# KiCad board chastityRightV2.kicad_pcb (continued)
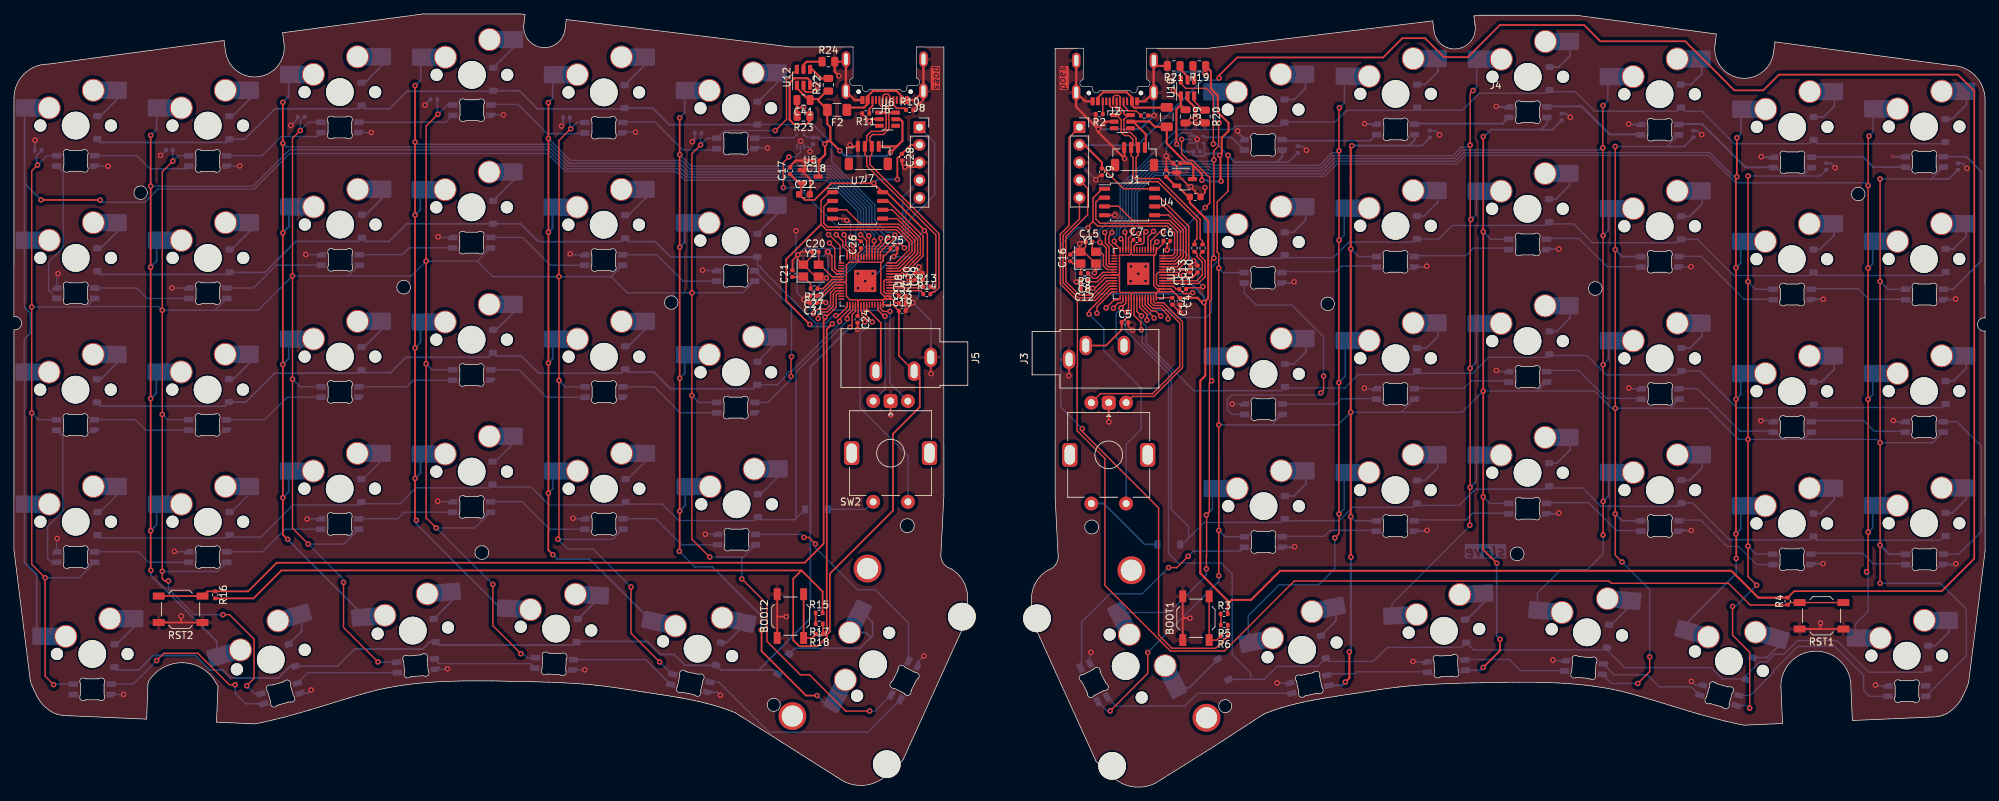
[diagram p0: board, top side]
## Routing (per net, layer and track width the routed paths; a pad name or vN(x,y) marks a point on that pad's centre or on a via; arc(x,y) is an arc through that point) (continued)
col 5_L: length 210.9
  Top w0.2: U8.7 122.7,78.62 121.87,79.44 v1(121.83,79.44)
  Top w0.25: v1(19.68,93.76) v1(19.68,86.44) v1(19.68,74.8) v1(19.68,55.89) v1(19.68,36.88) 19.68,36.88 19.68,31.21 v1(19.71,31.19)
  Bottom w0.2: v1(121.83,79.44) 121.83,81.08 121.86,81.11 121.86,82.97 117.12,87.71 96.7,87.71 95.47,88.94 79.58,88.94 76.85,91.67 44.08,91.67 44.06,91.68 39.67,91.68 34.42,86.44 v1(19.68,86.44)
  Bottom w0.25: v1(19.71,31.19) 19.71,30.47 29.19,20.98 MX59.1 ; v1(19.68,93.76) 20.54,94.62 MX35.1 ; v1(19.68,36.88) 20.54,37.75 MX53.1 ; v1(19.68,74.8) 20.56,75.67 MX41.1 ; v1(19.68,55.89) 20.51,56.72 MX47.1
col 6: length 124.3
  Top w0.2: U3.15 158.35,77.52 157.57,78.3 157.57,79.24 158,79.68 v1(158,79.78) ; v1(173.41,95.56) 173.36,95.51 173.36,92.24 172.67,91.56 v1(172.67,76.1) 172.31,75.73 172.31,70.11 172.08,69.88 172.08,58.72 v1(172.35,58.45) 172.02,58.12 172.02,39.57 v1(171.59,39.15) 171.63,39.12 171.63,33.24 171.59,33.2 v1(171.59,31.4)
  Bottom w0.2: MX18.1 172.46,58.57 v1(172.35,58.45) ; v1(172.69,90.22) 172.49,90.02 163.32,90.02 159.6,86.31 159.6,81.91 158,80.32 v1(158,79.78) ; v1(173.41,95.56) 172.79,96.18 172.79,99.61 MX6.1 ; v1(172.67,76.1) 172.44,76.33 172.44,80.95 ; v1(171.59,39.15) 172.46,40.02 MX24.1 ; v1(171.59,31.4) 171.59,30.46 166.26,25.13 MX30.1
col 6_L: length 212.4
  Top w0.2: v1(120.78,77.91) 120.78,77.42 121.1,77.11 U8.11
  Top w0.25: v1(3.91,84.47) 12.39,84.47 v1(12.41,84.44)
  Bottom w0.2: v1(120.78,77.91) 121.13,78.26 121.13,80.07 121.43,80.38 121.43,82.83 116.96,87.31 96.54,87.31 95.31,88.54 79.41,88.54 76.81,91.14 39.69,91.14 34.59,86.04 20.75,86.04 18.84,84.13 12.72,84.13 v1(12.41,84.44)
  Bottom w0.25: v1(3.91,84.47) 1.54,86.84 1.54,87.14 ; MX36.1 1.54,97.69 1.54,87.14 ; 1.54,87.14 MX42.1 1.54,69.02 2.37,68.18 2.37,65.31 1.5,64.44 MX48.1 1.53,59.68 MX54.1 1.53,32.33 3.27,30.59 3.27,22.33 MX60.1
CURR_LIM: length 2.5
  Top w0.3: R21.1 167.81,103.29 168.88,102.21 U10.5
CURR_LIM_L: length 3.5
  Top w0.3: R24.1 114.07,104.35 113.62,103.9 U12.5
D+: length 68.6
  Top w0.2: J6.B6 124.55,98.21 124.77,97.98 125.32,97.98 ; 158.46,97.79 158.68,98.02 J2.A6 ; 158.46,97.79 158.52,97.79 159.3,97.01 159.3,96.9 159.06,96.67 U2.1 158.64,96.67 159.33,95.98 159.33,94.22 159.84,93.72 160.48,93.72 161.03,93.17 161.03,92.28 J1.3 160.76,90.85 161.03,90.57 161.03,87.74 161.68,87.09 164.62,87.09 170.24,81.47 170.24,78.89 169.88,78.53 R7.2 ; 158.46,97.79 157.91,97.79 157.68,98.02 J2.B6 ; 125.32,97.98 125.49,97.81 125.49,97.26 125.25,97.03 U6.1 125.21,97.03 125.51,96.73 125.51,94.84 125,94.33 123.37,94.33 122.73,93.69 122.73,92.92 122.45,92.65 J7.3 122.45,91.01 122.73,90.73 122.73,89.37 132.67,79.42 132.67,72.05 132.3,71.69 132.24,71.69 131.93,72 R13.2 ; 125.32,97.98 125.55,98.21 J6.A6
D-: length 71.1
  Top w0.2: R8.2 171.05,78.53 170.69,78.89 170.69,81.65 164.81,87.54 161.87,87.54 161.48,87.93 161.48,90.57 161.76,90.85 J1.2 161.48,92.28 161.48,93.36 160.67,94.17 160.02,94.17 159.73,94.46 159.73,96.03 160.37,96.67 U2.6 ; J6.A7 125.05,99.45 125.27,99.68 125.82,99.68 126.05,99.45 J6.B7 126.05,97.97 125.89,97.81 125.89,97.23 126.09,97.03 U6.6 126.17,97.03 125.91,96.76 125.91,94.68 125.11,93.88 123.56,93.88 123.18,93.5 123.18,92.92 123.45,92.65 J7.2 123.45,91.01 123.18,90.73 123.18,89.55 133.12,79.61 133.12,71.87 132.49,71.24 132.24,71.24 131.93,70.92 R14.2 ; U2.6 160.55,96.8 ; U2.6 159.93,96.67 159.7,96.9 159.7,97.25 159.18,97.77 J2.B7 159.18,99.27 158.96,99.49 158.41,99.49 158.18,99.27 J2.A7
LED_Data_3V3: length 24.6
  Top w0.2: v1(171.41,83.37) 172.09,84.04 172.09,87.67 171.83,87.93 ; v1(168.03,93.18) 168.03,91.13 168.98,90.18 169.58,90.18 171.9,87.86 ; U3.3 163.59,78.57 164.88,79.87 v1(165.31,79.87)
  Bottom w0.2: v1(165.31,79.87) 167.91,79.87 v1(171.41,83.37) ; v1(168.03,93.18) U9.2
LED_Data_3V3_L: length 22.8
  Top w0.2: v1(119.45,79.46) 119.68,79.23 119.68,77.96 120.7,76.94 U8.12 ; v1(110.73,86.24) 110.73,89.86 v1(111.52,90.65)
  Bottom w0.2: v1(111.52,90.65) 112.49,90.65 113.18,91.34 U11.2 ; v1(119.45,79.46) 119.45,79.66 112.88,86.24 v1(110.73,86.24)
LED_Data_5V: length 6.8
  Bottom w0.25: U9.4 171.37,93.46 175.22,93.46 176.98,91.7 177.1,91.7
LED_Data_5V_L: length 6.2
  Bottom w0.2: U11.4 112.2,93.42 106.65,93.42
LED_Pow_5V: length 772.8
  Top w0.2: v1(230.43,92.14) v1(230.43,77.32) v1(230.43,54.49) v1(230.43,39.31) 230.43,33.37 v1(231.42,32.38) ; v1(249.54,87.91) 249.53,87.9 v1(249.53,72.72) v1(249.53,50.02) v1(249.53,34.68) 249.53,30.29 v1(250.78,29.04) ; v1(172.59,92.52) 172.59,92.73 172.6,92.74 172.6,99.48 171.57,100.51 168.62,100.51 167.93,101.2 167.93,101.71 ; v1(268.54,29.32) v1(268.54,49.54) v1(268.54,72.75) v1(268.54,87.49) ; 173.38,48.02 v1(173.38,36.92) v1(173.38,30.41) ; v1(233.67,14.91) 235.38,16.63 v1(235.38,18.75) ; v1(249.78,11.35) 249.78,19.39 247.31,21.86 v1(247.31,26) ; v1(174.71,90.89) 174.71,85.73 173.15,84.18 173.15,76.94 173.37,76.72 v1(173.37,74.66) v1(173.37,52.1) 173.37,48.03 ; v1(163.15,19.37) 163.15,16.36 v1(157.76,10.97)
  Top w0.25: v1(213.86,21.27) 213.86,19.65 v1(211.43,17.22) ; v1(213.38,32.21) 211.43,34.16 v1(211.43,41.76) v1(211.43,56.98) v1(211.43,79.9) v1(211.43,93.58)
  Top w0.3: v1(192.52,92.26) 192.36,92.1 v1(192.36,77.44) v1(192.36,53.93) v1(192.36,38.93) 192.36,33.11 v1(192.39,33.09) ; v1(192.17,19.46) 192.17,15.71 v1(191.59,15.12)
  Bottom w0.2: v1(268.54,87.49) 275.94,87.49 LED36.1 ; 238.3,54.49 238.3,54.49 243.69,54.49 248.16,50.02 v1(249.53,50.02) 257.56,50.02 ; LED49.1 174.28,36.01 v1(173.38,36.92) ; v1(173.37,74.66) 174.02,74.01 177.02,74.01 ; LED47.1 257.56,50.02 ; 257.56,50.02 268.06,50.02 v1(268.54,49.54) 276.08,49.54 LED48.1 ; LED55.1 157.29,10.97 v1(157.76,10.97) ; v1(192.36,38.93) 192.97,38.31 196.05,38.31 ; 199.65,53.93 208.38,53.93 v1(211.43,56.98) 219.27,56.98 ; 199.65,53.93 v1(192.36,53.93) 190.53,52.1 181.02,52.1 ; 199.65,53.93 LED44.1 ; v1(230.43,54.49) 229.94,54.49 227.45,56.98 219.27,56.98 ; v1(211.43,79.9) 212.52,78.81 LED39.1 ; v1(268.54,72.75) 269.67,71.61 LED42.1 ; LED45.1 219.27,56.98 ; v1(173.38,30.41) 173.38,29.6 v1(163.15,19.37) ; 257.46,87.91 259.92,87.91 C37.2 ; 257.46,87.91 v1(249.54,87.91) ; 257.46,87.91 LED35.1 ; LED53.1 250.69,33.51 v1(249.53,34.68) ; v1(268.54,29.32) 277.22,29.32 280.93,25.61 280.93,18.87 LED60.1 ; 181.02,52.1 v1(173.37,52.1) ; 181.02,52.1 LED43.1 ; v1(247.31,26) 247.74,26 v1(250.78,29.04) ; v1(174.71,90.89) 173.08,92.52 v1(172.59,92.52) ; LED51.1 212.38,40.81 v1(211.43,41.76) ; LED34.1 237.88,92.14 v1(230.43,92.14) ; LED58.1 229.88,14.91 v1(233.67,14.91) ; LED41.1 250.64,71.61 v1(249.53,72.72) ; v1(192.36,77.44) 193.48,76.31 LED38.1 ; LED59.1 249.39,11.74 v1(249.78,11.35) ; v1(235.38,18.75) 235.38,28.42 v1(231.42,32.38)
  Bottom w0.25: v1(230.43,77.32) 231.44,76.31 LED40.1 ; LED46.1 238.3,54.49 v1(230.43,54.49) ; 181.73,89.89 183.42,89.89 C34.2 ; 200.77,92.28 202.62,92.28 203.76,93.42 ; 275.76,87.49 278.45,87.49 C38.2 ; v1(213.38,32.21) 213.38,21.74 v1(213.86,21.27) ; v1(211.43,93.58) 211.57,93.58 212.58,94.59 219.76,94.59 ; 219.76,94.59 219.79,94.56 221.36,94.56 C35.2 ; 219.76,94.59 220.58,95.4 LED33.1 ; LED57.1 211.01,16.81 v1(211.43,17.22) ; C36.2 240.34,92.14 237.88,92.14 ; v1(230.43,39.31) 231.43,38.31 LED52.1
  Bottom w0.3: v1(174.71,90.89) 175.7,89.89 181.73,89.89 182.55,90.71 182.55,91.7 ; v1(192.17,19.46) 192.39,19.68 v1(192.39,33.09) ; 201.55,93.93 201.55,93.07 200.77,92.28 192.54,92.28 v1(192.52,92.26) ; LED56.1 191.1,14.64 v1(191.59,15.12) ; LED54.1 269.85,33.51 v1(268.54,34.82)
LED_Pow_5V_L: length 770.3
  Top w0.2: v1(78.28,35.65) 78.43,35.8 v1(78.43,58.49) v1(78.43,73.43) 78.43,93.01 v1(80.12,94.7) ; v1(5.71,14.75) 4.49,15.96 v1(4.49,30.12) 2.56,32.06 v1(2.56,53.83) v1(2.56,69.08) 2.56,88.65 v1(3.4,89.49) ; v1(30.07,24.81) 31.03,24.81 34.55,21.29 34.55,15.64 v1(33.5,14.59) ; v1(92.92,18) 88.8,22.12 v1(88.8,28.78) ; v1(109.57,94.45) 111.18,96.05 111.18,101.74 U12.6 ; v1(42.36,34.96) 40.09,37.23 v1(40.09,58.7) v1(40.09,73.53) 40.09,93.33 v1(41.21,94.44) ; v1(72.96,19.2) 68.93,23.23 v1(68.93,29.17) ; v1(61.03,96.79) 59.32,95.08 v1(59.32,75.66) v1(59.32,60.9) 59.32,38.74 v1(60.77,37.28) ; v1(104.74,29.96) 108.36,26.34 108.36,20.97 113.17,16.16 114.49,16.16 119.71,10.95 v1(123.14,10.95) ; v1(52.39,18.02) 47.43,22.97 v1(47.43,29.45) ; v1(22.24,29.66) 21.71,29.66 21.35,30.02 v1(21.35,31.03) v1(21.35,53.61) v1(21.35,68.59) 21.35,88.53 v1(22.87,90.05) ; v1(98.82,92.38) 97.55,91.12 v1(97.55,71.1) v1(97.55,56.33) 97.55,35.67 v1(100.12,33.1)
  Bottom w0.2: 44.18,95.64 42.41,95.64 v1(41.21,94.44) 41.21,95.81 C44.2 ; v1(47.43,29.45) 47.43,29.89 v1(42.36,34.96) 47.47,34.96 LED22.1 ; LED7.1 104.89,71.1 v1(97.55,71.1) 88.29,71.1 85.96,73.43 ; LED6.1 4.75,90.83 v1(3.4,89.49) ; 44.19,57.59 41.2,57.59 v1(40.09,58.7) ; v1(21.35,31.03) 21.38,31.01 22.21,31.01 22.22,31.02 29.31,31.02 LED23.1 ; v1(21.35,53.61) 22.11,52.85 LED17.1 ; LED25.1 123.93,10.95 v1(123.14,10.95) ; v1(72.96,19.2) 73.28,19.2 73.89,18.59 75.02,18.59 LED27.1 ; v1(92.92,18) 94.68,16.25 LED26.1 ; v1(2.56,53.83) 3.54,52.84 LED18.1 ; LED12.1 10.46,69.14 ; 10.46,69.14 10.4,69.08 v1(2.56,69.08) ; 10.46,69.14 20.81,69.14 v1(21.35,68.59) 28.94,68.59 ; LED21.1 66.33,37.28 v1(60.77,37.28) 60.81,37.28 v1(68.93,29.17) ; LED11.1 28.94,68.59 ; 28.94,68.59 35.16,68.59 v1(40.09,73.53) 48.12,73.53 ; v1(61.03,96.79) 62.36,98.12 63.18,98.12 ; v1(33.5,14.59) 34.65,13.44 LED29.1 ; v1(78.43,58.49) 79.34,57.58 82.18,57.58 ; LED9.1 66.67,75.66 ; 66.67,75.66 68.9,73.43 v1(78.43,73.43) 85.96,73.43 ; 66.67,75.66 v1(59.32,75.66) 57.18,73.53 48.12,73.53 ; 104.96,33.1 104.74,32.88 v1(104.74,29.96) ; 104.96,33.1 LED19.1 ; 104.96,33.1 v1(100.12,33.1) ; LED24.1 9.4,30.12 v1(4.49,30.12) ; v1(88.8,28.78) 83.33,34.25 79.68,34.25 v1(78.28,35.65) 78.3,35.64 86.17,35.64 LED20.1 ; v1(109.57,94.45) 102.26,94.45 LED1.1 99.77,93.33 v1(98.82,92.38) 98.82,93.99 C48.2 ; v1(59.32,60.9) 60.18,60.04 LED15.1 ; v1(97.55,56.33) 98.54,55.34 LED13.1 ; 48.12,73.53 LED10.1 ; 87.59,75.07 85.96,73.43 ; LED2.1 81.02,95.6 v1(80.12,94.7) ; v1(30.07,24.81) 25.96,24.81 22.24,28.53 v1(22.24,29.66) ; LED28.1 52.44,17.97 v1(52.39,18.02) ; 8.55,14.83 5.79,14.83 v1(5.71,14.75) ; LED5.1 23.64,90.82 v1(22.87,90.05)
  Bottom w0.25: v1(3.4,89.49) 3.26,89.63 3.26,90.87 3.98,91.59 C46.2 ; v1(22.87,90.05) 22.87,91.64 22.87,91.64 ; v1(61.03,96.79) 60.93,96.9 C43.2 ; 79.99,96.36 79.99,94.83 v1(80.12,94.7)
Q_CLK: length 14
  Top w0.2: U3.52 167.35,74.85 168.67,76.17 168.67,80.34 165.48,83.53 164.14,83.53
Q_CLK_L: length 15.2
  Top w0.2: U8.52 127.65,73.81 130.44,76.59 130.44,78.99 126.38,83.05 U7.6
Q_IO0: length 12.3
  Top w0.2: U3.53 167.18,75.25 168.27,76.34 168.27,80.18 166.15,82.29 164.17,82.29
Q_IO0_L: length 13.5
  Top w0.2: U7.5 127.09,81.78 130.04,78.82 130.04,76.76 127.49,74.21 U8.53
Q_IO1: length 22.1
  Top w0.2: U4.2 156.35,84.8 155.68,84.12 155.68,81.73 156.31,81.1 166.21,81.1 167.42,79.89 167.42,76.63 166.85,76.05 U3.55
Q_IO1_L: length 23.3
  Top w0.2: U8.55 127.16,75.01 129.24,77.09 129.24,78.49 127.16,80.57 117.08,80.57 116.55,81.1 116.55,83.51 117.35,84.32 U7.2
Q_IO2: length 18.9
  Top w0.2: U3.54 167.01,75.65 167.87,76.5 167.87,80.01 166.37,81.5 160.99,81.5 158.93,83.56 156.97,83.56 156.94,83.53
Q_IO2_L: length 20
  Top w0.2: U7.3 119.78,83.05 121.85,80.97 127.32,80.97 129.64,78.66 129.64,76.92 127.32,74.61 U8.54
Q_IO3: length 15.8
  Top w0.2: 164.17,84.83 164.9,84.83 169.07,80.66 169.07,76.01 167.51,74.45 U3.51
Q_IO3_L: length 16.9
  Top w0.2: U7.7 125.76,84.32 130.84,79.24 130.84,76.43 127.82,73.41 U8.51
Q_SEL: length 104
  Top w0.2: v1(153.74,51.58) 153.74,51.15 164.72,40.17 164.72,21.9 166.64,19.98 172.93,19.98 R6.1 174.67,23.3 R5.1 ; v1(154.56,80.48) 154.56,80.64 155.28,81.36 ; 155.28,81.36 155.28,84.73 156.62,86.07 U4.1 ; 155.28,81.36 155.94,80.7 165.95,80.7 167.02,79.63 167.02,76.79 166.68,76.45 U3.56
  Bottom w0.2: v1(154.56,80.48) 153.07,80.48 150.64,78.05 150.64,54.68 v1(153.74,51.58)
Q_SEL_L: length 92.2
  Top w0.2: U7.1 117.35,85.59 116.15,84.38 116.15,80.94 116.91,80.17 126.99,80.17 128.84,78.33 128.84,77.29 126.96,75.41 U8.56
  Top w0.25: v1(114.53,66.55) 114.53,66.55 111.13,69.94 111.13,75.93 116.15,80.94 ; R17.1 116.42,23.48 R18.1 116.97,22.56 116.97,65.85 v1(117.77,66.66)
  Bottom w0.25: v1(114.53,66.55) 114.82,66.26 117.37,66.26 v1(117.77,66.66)
R: length 7.9
  Top w0.2: v1(159.32,68.93) 159.99,69.61 U3.31
  Bottom w0.2: v1(159.32,68.93) 159.32,68.87 158.63,68.18 158.63,64.64 J3.R
R_L: length 10.7
  Top w0.2: U8.36 122.7,68.84 124.75,66.79 124.75,66.37
  Top w0.25: J5.R 124.75,60.53 124.75,66.37
RESET: length 191.8
  Top w0.2: J4.1 151.83,93.43 151.83,80.78 150.58,79.53 150.58,72.39 152.97,70 155.6,70 157.65,72.05 U3.26 ; RST1.2 RST1.2 255.55,26.55 255.2,26.2 249.84,26.2 246.72,29.32 229.86,29.32 229.54,29.65 184.24,29.65 174.17,19.58 166.44,19.58 157,29.02 157,47.25 152.99,51.25 152.99,60.48 153.04,60.53 153.04,69.93
RESET_L: length 173.6
  Top w0.2: U8.26 118.53,71.01 118.31,70.79 118.31,69.03 117.17,67.9 117,67.9 v1(116.7,67.6)
  Top w0.25: RST2.2 RST2.2 27.82,28.17 R16.1 33.7,28.17 37.81,32.28 113.77,32.28 116.52,35.02 116.52,67.09 116.7,67.28 v1(116.7,67.6)
  Bottom w0.2: J8.1 132.51,92.72 132.51,85.21 128.71,81.41 128.71,79.21 126.52,77.02 122.94,77.02 116.1,70.17 116.1,68.58 116.7,67.97 v1(116.7,67.6)
rot A: length 22.7
  Top w0.2: U3.41 163.99,69.88 164.2,69.68 165.44,69.68 168.16,66.95 168.16,60.35 164.01,56.2 160.94,56.2 SW1.A
rot A_L: length 16.1
  Top w0.2: U8.41 124.7,68.84 125.1,68.43 v1(126.07,68.43)
  Bottom w0.2: SW2.A 126.04,58.14 126.04,68.41 v1(126.07,68.43)
rot B: length 27.5
  Top w0.2: 155.04,55.63 SW1.B 156.34,56.6 163.84,56.6 167.76,60.52 167.76,66.76 165.24,69.28 164.03,69.28 163.59,69.72 U3.40
rot B_L: length 15
  Top w0.2: v1(125.34,67.73) 125.24,67.73 124.3,68.67 U8.40
  Bottom w0.2: v1(125.34,67.73) 125.34,57.23 SW2.B
row 0: length 142.1
  Top w0.2: U3.18 157.62,75.25 157.58,75.3 157.58,77.73 157.07,78.24 157.07,79.7 v1(156.97,79.8)
  Bottom w0.2: v1(156.97,79.8) 156.97,79.84 159.2,82.08 159.2,86.47 167.34,94.61 175.3,94.61 175.79,95.1 182.33,95.1 D6.1 182.91,95.67 190.09,95.67 191.77,97.35 201.52,97.35 201.93,97.76 202.32,97.37 208.42,97.37 210.87,99.82 220.53,99.82 D4.1 221.23,100.02 224.69,100.02 227.48,97.23 239.34,97.23 239.87,97.76 240.4,97.23 242.91,97.23 247.59,92.55 258.4,92.55 D2.1 259.52,92.55 277.69,92.55 277.93,92.79
row 0_L: length 134.1
  Top w0.2: v1(126.78,79.4) 126.78,79.07 124.7,76.99 U8.2
  Bottom w0.2: D33.1 114.98,95.31 117.69,92.61 117.69,89.97 123.86,83.8 123.86,81.54 125.58,79.82 126.36,79.82 v1(126.78,79.4)
  Bottom w0.25: D33.1 106.96,95.29 94.31,95.29 91.93,97.67 87.89,97.67 87.78,97.56 75.33,97.56 72.73,100.17 D35.1 68.89,100.08 56.55,100.08 54.04,97.57 50.48,97.57 D36.1 49.54,97.57 37.57,97.57 33.2,93.2 D37.1 30.52,92.73 12.48,92.73 D38.1
row 1: length 133.8
  Top w0.2: U3.36 161.99,69.05 163.05,67.99 v1(163.05,67.17)
  Bottom w0.2: v1(163.05,67.17) 163.05,67.75 163.88,68.58 166.36,68.58 167.38,67.56 171.58,67.56 172.34,68.32 172.34,74.75 173.66,76.07 182.43,76.07 D12.1 183.23,76.16 189.85,76.16 192.09,78.4 201.44,78.4 D11.1 205.02,78.85 206.97,80.8 220.43,80.8 D10.1 221.15,81.02 224.43,81.02 227.14,78.31 239.39,78.31 D9.1 242.28,78.81 247.51,73.58 258.5,73.58 D8.1 259.39,73.6 277.47,73.6 D7.1
row 1_L: length 120
  Top w0.2: v1(118.28,67.83) 118.65,67.83 119.9,69.08 U8.29
  Bottom w0.2: v1(118.28,67.83) 117.92,67.83 116.78,66.68 115.45,66.68 107.56,74.57 107.56,74.78 107.33,75 107.13,75 106.98,75.15 D39.1
  Bottom w0.25: D39.1 106.94,76.25 94.51,76.25 92.29,78.47 88.45,78.47 87.96,78.96 87.46,78.47 75.49,78.47 72.91,81.04 D41.1 68.94,81.03 56.52,81.03 53.98,78.5 50.59,78.5 D42.1 49.52,78.5 40.57,78.5 36.11,74.04 D43.1 30.74,73.74 12.47,73.74 D44.1
row 2: length 131.7
  Top w0.2: U3.35 161.59,68.45 v1(162.26,67.78)
  Bottom w0.2: D13.1 277.47,54.6 259.37,54.6 D14.1 258.52,54.58 247.88,54.58 242.6,59.86 D15.1 239.39,59.3 229.14,59.3 226.35,62.09 221.14,62.09 D16.1 220.52,61.82 212.18,61.82 209.89,59.52 202.24,59.52 D17.1 201.41,59.35 197.85,59.35 197.85,59.35 193.44,59.35 191.52,57.42 183.06,57.42 182.91,57.57 182.36,57.02 169.8,57.02 162.94,63.89 162.94,66.29 162.26,66.97 v1(162.26,67.78)
row 2_L: length 120.5
  Top w0.2: v1(118.81,66.98) 118.81,67.32 120.3,68.82 U8.30
  Bottom w0.2: v1(118.81,66.98) 118.81,66.7 111.89,59.79 111.54,59.79 111.13,59.38 111.13,59.16 109.85,57.88 D45.1
  Bottom w0.25: D45.1 106.4,57.3 94.47,57.3 92.08,59.69 88.38,59.69 D46.1 87.4,59.54 75.48,59.54 73.01,62.02 69.4,62.02 D47.1 68.29,61.83 56.41,61.83 54.21,59.63 50.39,59.63 D48.1 49.57,59.56 37.56,59.56 33.39,55.39 D49.1 30.38,54.8 12.48,54.8 D50.1
row 3: length 156
  Top w0.2: v1(162.24,65.78) 162.17,65.85 162.17,66.88 161.19,67.86 U3.34
  Bottom w0.2: v1(162.24,65.78) 162.34,65.69 162.34,63.92 166.54,59.72 166.54,39.97 169,37.51 169,35.97 ; D19.1 277.35,35.52 259.49,35.52 D20.1 258.44,35.56 246.87,35.56 241.56,40.88 D21.1 239.46,40.4 237.14,40.4 237.13,40.39 228.41,40.39 225.77,43.02 221.21,43.02 D22.1 220.5,42.87 210.29,42.87 207.95,40.53 202.17,40.53 D23.1 201.31,40.25 192.62,40.25 190.68,38.31 183.16,38.31 D24.1 182.38,38.08 171.29,38.08 168.14,34.92 D31.1
row 3_L: length 143.5
  Top w0.2: U8.31 120.7,68.61 119.92,67.84 v1(119.92,67.38)
  Bottom w0.2: D57.1 12.46,35.83 30.57,35.83 D56.1 31.35,35.96 35.55,35.96 40.17,40.59 49.56,40.59 D55.1 50.23,40.76 55.55,40.76 57.82,43.04 68.38,43.04 D54.1 69.23,43.16 74.45,43.16 77.02,40.59 87.61,40.59 D53.1 88.33,40.71 93.3,40.71 95.66,38.35 106.56,38.35 D52.1 107.44,38.46 112.35,38.46 ; 112.35,38.46 112.53,38.65 112.53,59.69 119.92,67.09 v1(119.92,67.38) ; 112.35,38.46 D51.1
row 4: length 177.2
  Top w0.2: v1(160.09,68.3) 160.09,68.5 160.39,68.8 U3.32
  Bottom w0.2: 177.97,15.49 177.97,16.41 175.3,19.07 175.3,30.64 173.7,32.25 167.52,32.25 166.13,33.63 166.13,36.64 166.14,36.65 166.14,59.49 159.93,65.69 159.93,68.14 v1(160.09,68.3) ; D30.1 179.89,15.49 181.77,17.37 187.6,17.37 D29.1 189.23,18.09 195.63,18.09 197.64,20.1 208.29,20.1 D28.1 210.04,19.75 228.92,19.75 D27.1 229.25,19.73 231.78,17.2 244.22,17.2 245.87,15.55 249.18,15.55 D26.1 ; D26.1 249.25,15.22 249.28,15.18 ; D26.1 249.25,16.03 251.23,18.01 252.23,18.01 253.33,19.11 254.67,19.11 256.64,21.09 262.35,21.09 266.9,16.54 274.93,16.54 D25.1
row 4_L: length 160.6
  Top w0.2: U8.32 121.1,68.45 120.62,67.97 120.62,66.46 v1(120.32,66.16)
  Bottom w0.25: 107.19,16.85 114.61,24.27 114.61,60.45 v1(120.32,66.16) ; 107.19,16.85 101.74,16.85 D59.1 101.01,17.53 96.55,17.53 94.99,19.09 93,19.09 91.15,20.95 81.07,20.95 D60.1 80.55,20.44 61.15,20.44 D61.1 59.85,20.89 58.83,19.87 49.03,19.87 46.55,17.4 D62.1 39.76,17.4 38.06,15.7 31.22,15.7 30.07,16.85 28.22,16.85 26.14,18.93 20.06,18.93 17.96,16.83 14.9,16.83 D63.1 ; 107.19,16.85 109.33,16.85 D58.1
SK6803_EN: length 2.8
  Top w0.2: U10.3 169.83,98.69 171.15,97.38 R20.1
SK6803_EN_L: length 13.4
  Top w0.3: U12.3 114.57,101.62 114.22,101.97 112.31,101.97 111.63,101.28 111.63,95.97 112.21,95.38 114.11,95.38 114.53,95.81 R23.1
SK6803_NFAULT: length 2.7
  Top w0.2: 169.97,104.34 169.97,101.84 U10.4
SK6803_NFAULT_L: length 3.2
  Top w0.3: R22.2 116.18,101.94 114.89,103.23 U12.4
SWC: length 25
  Top w0.2: U3.24 157.32,72.85 155.27,70.8 153.3,70.8 151.39,72.71 151.39,75.95 151.38,75.95 151.38,79.2 154.51,82.33 154.51,86.13 J4.4
SWC_L: length 34.6
  Top w0.2: v1(115.02,68.1) 115.66,68.75 116.89,68.75 117.51,69.36 117.51,71.12 118.2,71.81 U8.24
  Bottom w0.2: J8.4 127.91,84.89 127.91,79.54 126.19,77.82 122.61,77.82 114.56,69.77 114.56,68.8 115.02,68.34 v1(115.02,68.1)
SWD: length 22.3
  Top w0.2: J4.5 153.33,81.72 150.98,79.37 150.98,72.55 153.13,70.4 155.43,70.4 157.49,72.45 U3.25
SWD_L: length 32.4
  Top w0.2: v1(115.72,67.4) 115.72,67.82 116.25,68.35 117.06,68.35 117.91,69.2 117.91,70.96 118.36,71.41 U8.25
  Bottom w0.2: J8.5 128.31,82.75 128.31,79.37 126.35,77.42 122.78,77.42 114.96,69.61 114.96,69.15 115.72,68.39 v1(115.72,67.4)
XIN: length 6.3
  Top w0.2: C15.2 155.18,77.51 Y1.3 156.32,77.01 156.78,76.54 156.78,74.96 157.29,74.45 U3.20
XIN_L: length 5.8
  Top w0.2: U8.20 117.74,73.41 116,75.15 115.8,75.15 115.81,75.16 C20.2
XOUT: length 4.5
  Top w0.2: R9.1 155.26,73.19 155.84,73.19 156.69,74.05 U3.21
XOUT_L: length 3.9
  Top w0.2: U8.21 117.7,73.01 116.4,71.71 R12.1
Net-(BOOT1-Pad2): length 8.2
  Top w0.2: BOOT1.2 BOOT1.2 172,21.15 173.08,21.15 R6.2
Net-(BOOT2-Pad2): length 8.3
  Top w0.25: R18.2 114.84,21.45 BOOT2.2 BOOT2.2
Net-(C16-Pad1): length 3
  Top w0.2: C16.1 152.35,75.31 Y1.1 153.52,75.28 R9.2
Net-(C21-Pad1): length 3.8
  Top w0.2: R12.2 114.65,72.4 Y2.1 113.53,73.38 C21.1
Net-(D1-A): length 5.8
  Bottom w0.25: MX1.2 280.96,98.17 278.88,96.09 D1.2
Net-(D2-A): length 5.7
  Bottom w0.25: MX2.2 261.97,97.96 260.42,96.41 258.96,96.41
Net-(D3-A): length 5.8
  Bottom w0.25: MX3.2 242.9,102.64 241.33,101.06 D3.2
Net-(D4-A): length 5.7
  Bottom w0.25: MX4.2 223.93,105.23 222.28,103.57 D4.2
Net-(D5-A): length 5.6
  Bottom w0.25: MX5.2 204.91,102.92 203.06,101.06 D5.2
Net-(D6-A): length 5.7
  Bottom w0.25: MX6.2 185.85,100.53 184.22,98.9 D6.2
Net-(D7-A): length 5.6
  Bottom w0.25: MX7.2 280.94,79.25 279.09,77.4 D7.2
Net-(D8-A): length 5.5
  Bottom w0.25: MX8.2 261.92,79.39 259.87,77.34 D8.2
Net-(D9-A): length 5.6
  Bottom w0.25: D9.2 241.15,82.11 242.91,83.87 MX9.2
Net-(D10-A): length 5.5
  Bottom w0.25: MX10.2 223.88,86.57 221.89,84.57 D10.2
Net-(D11-A): length 5.4
  Bottom w0.25: D11.2 202.92,82.15 204.89,84.12 204.89,85.7
Net-(D12-A): length 5.7
  Bottom w0.25: D12.2 184.12,79.81 185.89,81.59 MX12.2
Net-(D13-A): length 5.5
  Bottom w0.25: MX13.2 280.95,60.27 279.09,58.41 D13.2
Net-(D14-A): length 5.6
  Bottom w0.25: D14.2 260.14,58.31 261.93,60.11 261.93,62.03
Net-(D15-A): length 5.5
  Bottom w0.25: D15.2 241.2,63.16 242.91,64.88 MX15.2
Net-(D16-A): length 5.5
  Bottom w0.25: MX16.2 223.89,67.46 222,65.56 D16.2
Net-(D17-A): length 5.6
  Bottom w0.25: 201.91,63.15 203.24,63.15 204.91,64.81 MX17.2
Net-(D18-A): length 5.6
  Bottom w0.25: D18.2 184.17,60.87 185.91,62.62 185.91,64.52
Net-(D19-A): length 5.4
  Bottom w0.25: MX19.2 280.95,41.44 278.96,39.44 D19.2
Net-(D20-A): length 5.5
  Bottom w0.25: MX20.2 261.92,41.33 259.96,39.36 D20.2
Net-(D21-A): length 5.6
  Bottom w0.25: D21.2 241.17,44.18 242.93,45.94 242.93,47.81
Net-(D22-A): length 5.6
  Bottom w0.25: D22.2 222.04,46.6 223.89,48.46 223.89,50.31
Net-(D23-A): length 5.6
  Bottom w0.25: 204.88,47.81 204.88,45.93 203.08,44.12 D23.2
Net-(D24-A): length 5.6
  Bottom w0.25: D24.2 184.2,41.88 185.91,43.6 MX24.2
Net-(D25-A): length 5.5
  Bottom w0.25: MX25.2 278.46,22.33 276.5,20.36 D25.2
Net-(D26-A): length 5.5
  Bottom w0.25: D26.2 252.26,18.64 254.04,20.42 MX26.2
Net-(D27-A): length 5
  Bottom w0.25: D27.2 229.85,23.37 232.85,26.37 MX27.2
Net-(D28-A): length 5.1
  Bottom w0.25: D28.2 209.07,24.09 211.6,26.62 MX28.2
Net-(D29-A): length 5.1
  Bottom w0.25: D29.2 190.27,23.95 MX29.2
Net-(D30-A): length 7.7
  Bottom w0.25: D30.2 169.13,14.3 MX30.2
Net-(D31-A): length 11.9
  Bottom w0.25: SW1.S1 156.85,40.8 162.73,34.92 D31.2
Net-(D33-A): length 5.4
  Bottom w0.25: D33.2 107.11,98.61 109.97,101.47 MX31.2
Net-(D34-A): length 5.3
  Bottom w0.25: D34.2 90.98,104.06 MX32.2
Net-(D35-A): length 5.3
  Bottom w0.25: MX33.2 72,106.49 D35.2
Net-(D36-A): length 5.2
  Bottom w0.25: MX34.2 53,103.84 50.51,101.35 50.01,101.35
Net-(D37-A): length 5.2
  Bottom w0.25: D37.2 31.44,96.5 33.99,99.05 MX35.2
Net-(D38-A): length 5.2
  Bottom w0.25: D38.2 12.44,96.52 14.98,99.06 MX36.2
Net-(D39-A): length 5.3
  Bottom w0.25: MX37.2 109.95,82.56 D39.2
Net-(D40-A): length 5.2
  Bottom w0.25: D40.2 88.43,82.26 90.96,84.79 MX38.2
Net-(D41-A): length 5.4
  Bottom w0.25: MX39.2 71.95,87.34 D41.2
Net-(D42-A): length 5.2
  Bottom w0.25: D42.2 50.63,82.33 53.05,84.75 MX40.2
Net-(D43-A): length 5.4
  Bottom w0.25: MX41.2 34.01,80.02 31.02,77.04
Net-(D44-A): length 5.2
  Bottom w0.25: MX42.2 14.99,80.02 12.48,77.51 D44.2
Net-(D45-A): length 4.8
  Bottom w0.2: D45.2 109.98,64.18 MX43.2
Net-(D46-A): length 5.1
  Bottom w0.25: D46.2 88.4,63.41 91,66 MX44.2
Net-(D47-A): length 5.2
  Bottom w0.25: MX45.2 71.95,68.33 69.41,65.78 D47.2
Net-(D48-A): length 5.2
  Bottom w0.25: D48.2 50.4,63.3 53.01,65.91 MX46.2
Net-(D49-A): length 5.2
  Bottom w0.25: D49.2 31.58,58.69 33.96,61.07 MX47.2
Net-(D50-A): length 5.2
  Bottom w0.25: 14.95,62.25 14.95,61.14 12.47,58.65 D50.2
Net-(D51-A): length 7
  Bottom w0.2: D51.2 122.56,39.95 SW2.S1
Net-(D52-A): length 5.1
  Bottom w0.2: D52.2 107.48,42.14 110.08,44.75 MX49.2
Net-(D53-A): length 5.1
  Bottom w0.2: D53.2 88.34,44.31 91,46.97 MX50.2
Net-(D54-A): length 5.1
  Bottom w0.2: MX51.2 71.96,49.53 69.26,46.83 D54.2
Net-(D55-A): length 5.1
  Bottom w0.2: MX52.2 52.97,47.04 50.24,44.31 D55.2
Net-(D56-A): length 5.1
  Bottom w0.2: MX53.2 33.99,42.26 31.32,39.59 D56.2
Net-(D57-A): length 5.1
  Bottom w0.2: D57.2 12.39,39.56 14.98,42.15 MX54.2
Net-(D58-A): length 20.8
  Bottom w0.25: 123.32,21.55 123.57,21.8 123.57,23.71 MX55.2 ; 123.32,21.55 121.75,19.98 112.35,19.98 D58.2 ; 123.32,21.55 122.62,22.24 MX55.2
Net-(D59-A): length 4.8
  Bottom w0.25: MX56.2 102.56,20.78 D59.2
Net-(D60-A): length 4.7
  Bottom w0.25: MX57.2 84.35,27.36 D60.2
Net-(D61-A): length 5
  Bottom w0.25: MX58.2 63.02,26.8 D61.2
Net-(D62-A): length 5.1
  Bottom w0.25: MX59.2 41.42,22.44 D62.2
Net-(D63-A): length 5.1
  Bottom w0.25: MX60.2 17.36,23.13 14.79,20.56 D63.2
Net-(J2-CC1): length 3.7
  Top w0.2: J2.A5 159.68,98.02 160.43,97.27 161.49,97.27 R1.1
Net-(J2-CC2): length 1.8
  Top w0.2: J2.B5 156.69,98.63 R2.1
Net-(J6-CC1): length 2.8
  Top w0.25: R10.1 128.14,97.65 127.03,97.65 126.55,98.14 J6.A5
Net-(J6-CC2): length 2.1
  Top w0.25: J6.B5 123.55,97.99 123.09,97.54 R11.1
Net-(LED1-DOUT): length 15.4
  Bottom w0.2: 87.58,95.69 92.22,95.69 96.26,91.65 100.93,91.65 101.2,91.92
Net-(LED2-DOUT): length 15.4
  Bottom w0.2: 82.13,94.19 81.95,94 76.75,94 72.55,98.2 68.59,98.2
Net-(LED3-DOUT): length 14
  Bottom w0.2: 63.18,96.62 62.2,95.64 LED4.3
Net-(LED4-DOUT): length 14.9
  Bottom w0.2: LED5.3 35.7,90.82 38.47,93.59 43.63,93.59 44.18,94.14
Net-(LED5-DOUT): length 14.5
  Bottom w0.2: LED5.2 24.78,88.93 19.58,88.93 17.68,90.83 LED6.3
Net-(LED7-DIN): length 15.1
  Bottom w0.2: LED7.3 96.27,72.79 92.49,76.57 87.59,76.57
Net-(LED8-DIN): length 15.2
  Bottom w0.2: LED9.2 73.19,79.07 77.19,75.07 LED8.3
Net-(LED10-DIN): length 15
  Bottom w0.2: LED10.3 37.77,75.09 34.47,71.79 LED11.2
Net-(LED10-DOUT): length 13.9
  Bottom w0.2: LED10.2 55.87,76.59 56.85,77.57 LED9.3
Net-(LED11-DIN): length 14.2
  Bottom w0.2: LED12.2 17.67,71.79 19.17,70.29 LED11.3
Net-(LED12-DIN): length 20.8
  Bottom w0.2: LED12.3 5,71.47 5,75.54 7.1,77.64 7.1,88.4 LED6.2
Net-(LED13-DIN): length 24.5
  Top w0.2: v1(111.83,59.09) 111.83,61.85 v1(111.9,61.92)
  Bottom w0.2: v1(111.83,59.09) 111.79,59.05 111.79,58.63 108.51,55.34 LED13.3 ; LED7.2 111.9,68.98 v1(111.9,61.92)
Net-(LED13-DOUT): length 15.1
  Bottom w0.2: LED13.2 95.87,53.84 92.13,57.58 LED14.3
Net-(LED14-DOUT): length 15.2
  Bottom w0.2: LED15.3 72.67,60.04 76.63,56.08 82.18,56.08
Net-(LED15-DOUT): length 13.9
  Bottom w0.2: LED16.3 56.53,57.59 57.47,58.54 LED15.2
Net-(LED16-DOUT): length 14.9
  Bottom w0.2: 44.19,56.09 39.33,56.09 36.08,52.85 LED17.3
Net-(LED17-DOUT): length 14.2
  Bottom w0.2: LED17.2 18.96,51.35 17.47,52.84 LED18.3
Net-(LED18-DOUT): length 21.3
  Bottom w0.2: LED18.2 7.03,50.45 7.03,39.7 4.85,37.51 4.85,32.91 5.41,32.34 LED24.3
Net-(LED19-DIN): length 15.2
  Bottom w0.2: LED19.3 96.1,34.86 92.36,38.6 LED20.2
Net-(LED19-DOUT): length 33.1
  Top w0.2: v1(115.33,34.99) 114.39,35.93 v1(113.69,35.93)
  Bottom w0.2: v1(115.33,34.99) 115.33,34.44 121.37,28.4 123.93,28.4 128.73,23.6 LED25.3 ; LED19.2 113.28,36.36 113.28,36.34 v1(113.69,35.93)
Net-(LED20-DIN): length 15.2
  Bottom w0.2: LED21.2 73.15,41.06 77.11,37.1 LED20.3
Net-(LED21-DIN): length 13.9
  Bottom w0.2: LED21.3 56.19,39.56 55.24,38.61 LED22.2
Net-(LED22-DIN): length 14.9
  Bottom w0.2: LED23.2 35.78,33.84 39.04,37.11 LED22.3
Net-(LED23-DIN): length 14.2
  Bottom w0.2: LED23.3 19.41,32.34 17.91,33.84 LED24.2
Net-(LED25-DOUT): length 32.4
  Bottom w0.2: LED25.2 122.92,7.92 108.64,7.92 101.45,15.11 LED26.3
Net-(LED26-DOUT): length 15.5
  Bottom w0.2: LED27.3 90.94,18.34 LED26.2
Net-(LED27-DOUT): length 15
  Bottom w0.2: LED28.3 61.17,17.77 74.34,17.77 LED27.2
Net-(LED28-DOUT): length 15.1
  Bottom w0.2: LED28.2 42.31,16.47 LED29.3
Net-(LED29-DOUT): length 27.5
  Top w0.2: v1(20.54,18.2) 21.6,19.26 26.47,19.26 30.99,14.74 v1(31.84,14.74)
  Bottom w0.2: v1(20.54,18.2) 17.17,14.83 LED30.3 ; LED29.2 33.33,11.99 31.84,13.48 v1(31.84,14.74)
Net-(LED31-DOUT): length 14
  Bottom w0.25: 196.1,93.93 195.15,92.98 182.76,92.98 182.55,93.2
Net-(LED32-DOUT): length 13.9
  Bottom w0.3: LED33.3 214.23,95.44 201.56,95.44 201.55,95.43
Net-(LED33-DOUT): length 15.2
  Bottom w0.3: LED33.2 220.66,97.91 225.62,97.91 229.64,93.88 234.03,93.88 LED34.3
Net-(LED34-DOUT): length 16.3
  Bottom w0.3: LED35.3 253.16,89.16 249.16,89.16 242.94,95.38 239.62,95.38 LED34.2
Net-(LED35-DOUT): length 14.2
  Bottom w0.25: LED36.3 267.55,89.18 266.08,90.66 258.7,90.66 LED35.2
Net-(LED36-DOUT): length 26.3
  Bottom w0.25: LED36.2 280.94,90.68 283.1,88.53 283.1,75.69 279.02,71.61 LED42.3
Net-(LED37-DIN): length 14
  Bottom w0.2: LED37.3 182.6,74.15 190.22,74.15 191.01,74.93 195.96,74.93 LED38.2
Net-(LED37-DOUT): length 41.8
  Top w0.2: v1(188.06,56.72) 188.46,57.13 v1(188.46,59.13)
  Bottom w0.2: 177.02,72.51 177.02,71.09 178.76,69.35 183.89,69.35 188.46,64.77 v1(188.46,59.13) ; v1(188.06,56.72) 187.74,56.4 175.27,56.4 174.6,55.74 174.6,54.3 175.29,53.61 LED43.3
Net-(LED38-DIN): length 14.2
  Bottom w0.2: LED39.2 214.88,77.54 210.02,77.54 208.92,76.43 201.65,76.43 LED38.3
Net-(LED39-DIN): length 15.3
  Bottom w0.2: LED39.3 220.67,78.93 225.22,78.93 229.29,74.86 234.07,74.86 LED40.2
Net-(LED40-DIN): length 16.2
  Bottom w0.2: LED40.3 239.62,76.36 242.78,76.36 248.95,70.18 253.08,70.18 LED41.2
Net-(LED41-DIN): length 14.3
  Bottom w0.2: LED41.3 258.68,71.68 265.42,71.68 266.92,70.18 272.13,70.18 LED42.2
Net-(LED43-DOUT): length 13.9
  Bottom w0.2: LED43.2 190.23,55.11 191.01,55.88 196.01,55.88 LED44.3
Net-(LED44-DOUT): length 14.1
  Bottom w0.2: LED45.3 214.93,58.43 209.72,58.43 208.66,57.38 208.65,57.38 201.6,57.38 LED44.2
Net-(LED45-DOUT): length 15.4
  Bottom w0.2: LED45.2 220.73,59.93 225.16,59.93 229.18,55.92 234.06,55.92 LED46.3
Net-(LED46-DOUT): length 16.2
  Bottom w0.2: LED47.3 253.01,51.21 248.42,51.21 248.39,51.18 242.26,57.31 LED46.2
Net-(LED47-DOUT): length 14.3
  Bottom w0.2: LED47.2 258.75,52.71 266.18,52.71 267.71,51.18 272.03,51.18 LED48.3
Net-(LED48-DOUT): length 26
  Bottom w0.2: LED54.3 279.86,33.51 283.11,36.76 283.11,49.06 279.6,52.56 LED48.2
Net-(LED49-DIN): length 14
  Bottom w0.2: LED49.3 182.59,36.08 188.57,36.08 188.58,36.08 189.43,36.93 195.93,36.93 196.05,36.81
Net-(LED49-DOUT): length 34.6
  Top w0.2: v1(168.96,33.2) 167.34,31.58 v1(166.15,31.58)
  Bottom w0.2: v1(166.15,31.58) 162.38,27.81 157.69,27.81 153.64,23.75 153.64,22.46 153.64,22.46 153.64,17.3 LED55.3 ; LED49.2 176.51,33.95 169.71,33.95 v1(168.96,33.2)
Net-(LED50-DIN): length 14.1
  Bottom w0.2: LED50.3 201.63,38.43 208.98,38.43 209.95,39.41 215.01,39.41 LED51.2
Net-(LED51-DIN): length 15.3
  Bottom w0.2: LED51.3 220.65,40.91 226.61,40.91 230.61,36.91 234.13,36.91
Net-(LED52-DIN): length 16.2
  Bottom w0.2: LED53.2 250.79,32.01 248.19,34.62 246.54,34.62 242.75,38.41 239.58,38.41
Net-(LED53-DIN): length 14.4
  Bottom w0.2: LED54.2 272.09,32.13 267.53,32.13 266,33.65 258.71,33.65 LED53.3
Net-(LED55-DOUT): length 27.9
  Bottom w0.2: LED55.2 158.61,11.67 168.51,11.67 170.34,13.5 LED56.3
Net-(LED56-DOUT): length 14.7
  Bottom w0.2: LED57.3 203.34,16.58 193.24,16.58 192.97,16.32 189.12,16.32 LED56.2
Net-(LED57-DOUT): length 15.1
  Bottom w0.2: LED57.2 208.82,18.37 215.17,18.37 216.77,16.76 223.08,16.76 LED58.3
Net-(LED58-DOUT): length 15.7
  Bottom w0.2: LED58.2 230.26,16.16 235.04,16.16 236.77,14.43 241.39,14.43 LED59.3
Net-(LED59-DOUT): length 28.7
  Bottom w0.2: LED60.3 267.04,13.06 266.17,13.93 266.17,16.07 261.99,20.24 256.72,20.24 253.22,16.74 253.22,16.54 249.86,13.18 LED59.2
Net-(R3-Pad1): length 1.6
  Top w0.2: R3.1 173.67,24.9 R5.2
Net-(R15-Pad1): length 1.6
  Top w0.25: R17.2 115.38,25.04 R15.1
Net-(U3-USB_DM): length 10.6
  Top w0.2: R8.1 170.72,76.69 170.72,76.41 171.41,75.72 171.41,73.41 170.44,72.45 U3.46
Net-(U3-USB_DP): length 10
  Top w0.2: U3.47 170.21,72.85 171.01,73.65 171.01,75.55 170.22,76.33 170.22,76.69 R7.1
Net-(U8-USB_DM): length 5.2
  Top w0.2: U8.46 130.46,71.41 130.86,71.02 R14.1
Net-(U8-USB_DP): length 5
  Top w0.2: U8.47 130.67,71.81 R13.1
unconnected-(U3-GPIO0-Pad2): length 1.4
  Top w0.2: U3.2 163.99,77.97 v1(164.48,78.45)
unconnected-(U3-GPIO2-Pad4): length 3
  Top w0.2: v1(163.98,79.96) 163.98,79.94 163.19,79.15 U3.4
unconnected-(U3-GPIO17-Pad28): length 4.3
  Top w0.2: v1(155.85,68.17) 155.85,69.1 158,71.25 U3.28
unconnected-(U3-GPIO18-Pad29): length 2.6
  Top w0.2: v1(157.17,68.93) 157.17,68.93 158.31,70.08 158.85,70.08 U3.29
unconnected-(U3-GPIO19-Pad30): length 2.4
  Top w0.2: U3.30 159.59,69.88 159.39,69.68 158.92,69.68 158.22,68.97 v1(158.22,68.88)
unconnected-(U3-GPIO25-Pad37): length 3.6
  Top w0.2: U3.37 162.39,69.22 164.07,67.54 v1(164.07,67.47)
unconnected-(U3-GPIO26_ADC0-Pad38): length 3.9
  Top w0.2: U3.38 162.79,69.38 163.7,68.48 164.31,68.48 v1(165.03,67.76)
unconnected-(U3-GPIO27_ADC1-Pad39): length 5.2
  Top w0.2: U3.39 163.19,69.55 163.86,68.88 165.07,68.88 166.06,67.89 v1(166.06,67.34)
  Bottom w0.2: v1(166.06,67.34) 166.25,67.16
unconnected-(U8-GPIO10-Pad13): length 0.5
  Top w0.2: 120.3,76.78 U8.13
unconnected-(U8-GPIO11-Pad14): length 3.9
  Top w0.2: v1(118.33,79.47) 119.28,78.52 119.28,77.79 119.9,77.18 U8.14
unconnected-(U8-GPIO12-Pad15): length 4.9
  Top w0.2: v1(117.22,79.47) 117.31,79.47 118.88,77.9 118.88,75.59 U8.15
unconnected-(U8-GPIO15-Pad18): length 5.1
  Top w0.2: v1(117.36,78.28) 118.12,77.52 118.12,74.62 118.53,74.21 U8.18
unconnected-(U8-GPIO23-Pad35): length 3
  Top w0.2: U8.35 122.3,68.67 122.42,68.55 122.42,68.03 v1(123.53,66.92)

## Copper pours and planes (outline as drawn; the poured copper is in the pictures)
GND on Top, Bottom: -8.95,112.44 127.65,122.3 292.63,111.21 293.7,-12.35 211.7,-10.84 120.42,-12.13 -13.38,-8.77

## Text on the board
Bottom: slave
B.Silkscreen: MX1
Top: poes | make the rot encoder a and b vias for the blue layer, that will open up space for the rest of the pins to be accessedd.
